# Altium PCB PCB_ALMA_TESLA.PcbDoc (part 2 of 3) (continued)
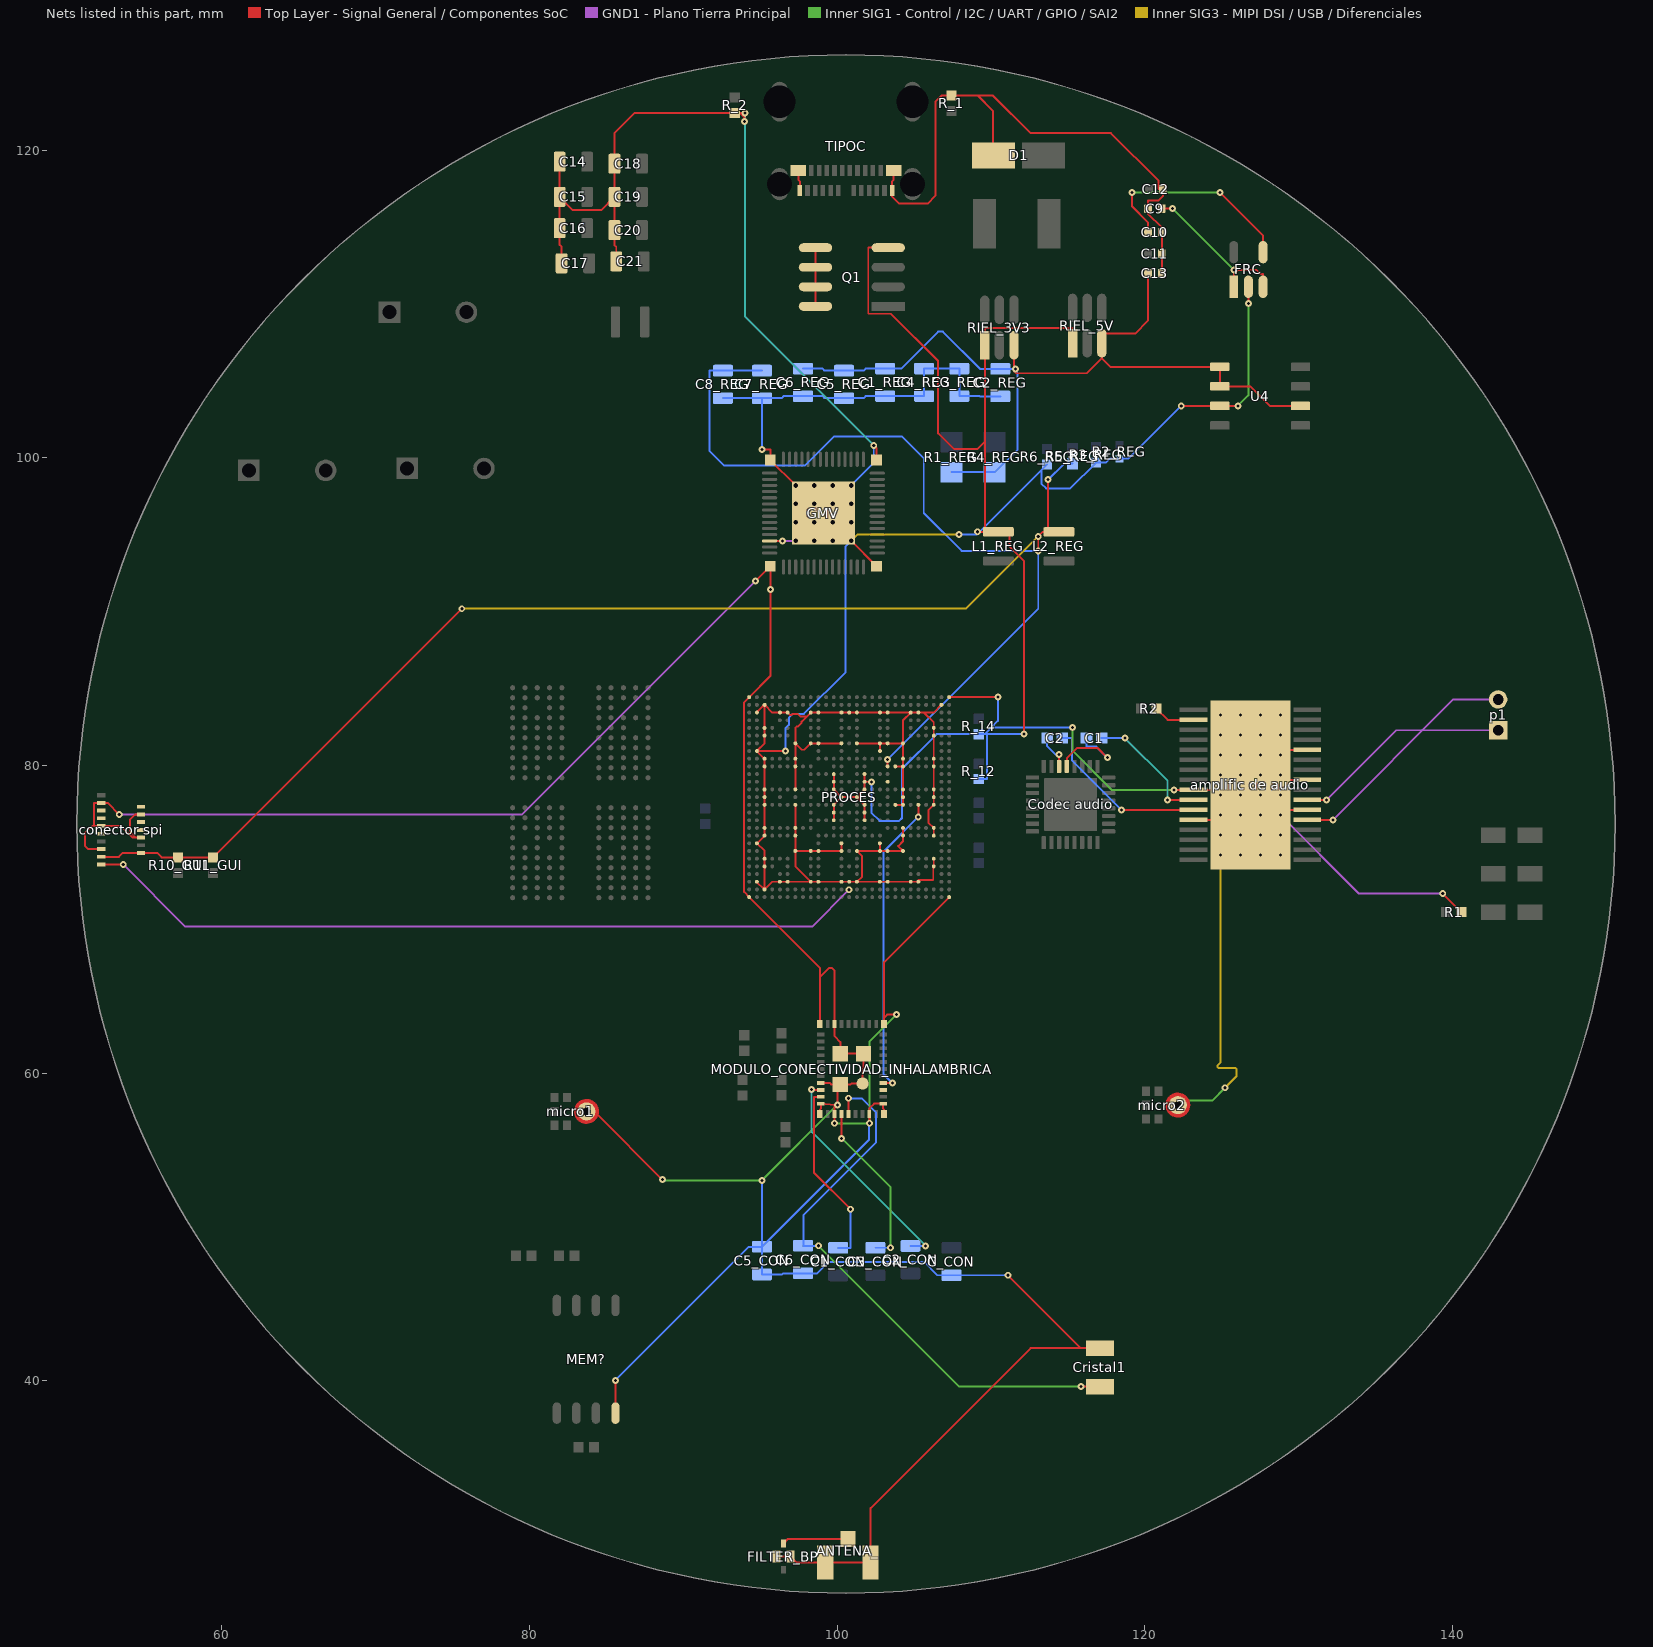
[diagram p10: the nets of this part, all layers, seen from the top]
## Part data (continued)
U4: library part CMP-014-00002-1, "Audio Amp Speaker 1-CH Mono/2-CH Stereo 0.7W Class-AB 8-Pin SOIC T/R", Case/Package=SOIC, Manufacturer Lifecycle Status=ACTIVE, Max Operating Temperature=85°C, Max Output Power=700mW, Max Power Dissipation=725mW, Max Supply Current=1.5mA, Max Supply Voltage=5.5V, Min Operating Temperature=-40°C, Min Supply Voltage=2.5V, Operating Supply Voltage=5V, Power Supply Rejection Ratio (PSRR)=85dB, Quiescent Current=700µA, Gain Bandwidth Product=1.4MHz, Height=1.75mm, Length=4.9mm, Lifecycle Status=Production, Nominal Supply Current=1.5mA, Number of Channels=1, Number of Circuits=1, Packaging="Tape and Reel", Pins=8, Power Dissipation=725mW, Radiation Hardening=No, RoHS=Compliant, Schedule B="8542330000, 8542330000", Supply Type=Single, Thickness=1.58mm, Weight=75.891673mg, Width=3.91mm

## Free pads (board coordinates)
  round 0.33 smd paste+0 mask+0: A1(78.912,85.057) A2(79.712,85.057) A3(80.512,85.057) A4(81.312,85.057) A5(82.112,85.057) A8(84.512,85.057) A9(85.312,85.057) A10(86.112,85.057) A11(86.912,85.057) A12(87.712,85.057) AA1(78.912,72.057) AA2(79.712,72.057) AA3(80.512,72.057) AA4(81.312,72.057) AA5(82.112,72.057) AA8(84.512,72.057) AA9(85.312,72.057) AA10(86.112,72.057) AA11(86.912,72.057) AA12(87.712,72.057) AB1(78.912,71.407) AB2(79.712,71.407) AB3(80.512,71.407) AB4(81.312,71.407) AB5(82.112,71.407) AB8(84.512,71.407) AB9(85.312,71.407) AB10(86.112,71.407) AB11(86.912,71.407) AB12(87.712,71.407) B1(78.912,84.407) B2(79.712,84.407) B3(80.512,84.407) B4(81.312,84.407) B5(82.112,84.407) B8(84.512,84.407) B9(85.312,84.407) B10(86.112,84.407) B11(86.912,84.407) B12(87.712,84.407) C1(78.912,83.757) C2(79.712,83.757) C4(81.312,83.757) C5(82.112,83.757) C8(84.512,83.757) C9(85.312,83.757) C12(87.712,83.757) D1(78.912,83.107) D2(79.712,83.107) D3(80.512,83.107) D4(81.312,83.107) D5(82.112,83.107) D8(84.512,83.107) D9(85.312,83.107) D10(86.112,83.107) D11(86.912,83.107) D12(87.712,83.107) E1(78.912,82.457) E2(79.712,82.457) E3(80.512,82.457) E4(81.312,82.457) E5(82.112,82.457) E8(84.512,82.457) E9(85.312,82.457) E10(86.112,82.457) E12(87.712,82.457) F1(78.912,81.807) F2(79.712,81.807) F3(80.512,81.807) F4(81.312,81.807) F5(82.112,81.807) F8(84.512,81.807) F9(85.312,81.807) F10(86.112,81.807) F11(86.912,81.807) F12(87.712,81.807) G1(78.912,81.157) G2(79.712,81.157) G3(80.512,81.157) G4(81.312,81.157) G5(82.112,81.157) G8(84.512,81.157) G9(85.312,81.157) G10(86.112,81.157) G11(86.912,81.157) G12(87.712,81.157) H1(78.912,80.507) H2(79.712,80.507) H3(80.512,80.507) H4(81.312,80.507) H5(82.112,80.507) H8(84.512,80.507) H9(85.312,80.507) H10(86.112,80.507) H11(86.912,80.507) H12(87.712,80.507) J1(78.912,79.857) J2(79.712,79.857) J3(80.512,79.857) J8(84.512,79.857) J9(85.312,79.857) J10(86.112,79.857) J11(86.912,79.857) J12(87.712,79.857) K1(78.912,79.207) K2(79.712,79.207) K3(80.512,79.207) K4(81.312,79.207) K5(82.112,79.207) K8(84.512,79.207) K9(85.312,79.207) K10(86.112,79.207) K11(86.912,79.207) K12(87.712,79.207) N1(78.912,77.257) N2(79.712,77.257) N3(80.512,77.257) N4(81.312,77.257) N5(82.112,77.257) N8(84.512,77.257) N9(85.312,77.257) N10(86.112,77.257) N11(86.912,77.257) N12(87.712,77.257) P1(78.912,76.607) P2(79.712,76.607) P3(80.512,76.607) P4(81.312,76.607) P5(82.112,76.607) P8(84.512,76.607) P9(85.312,76.607) P10(86.112,76.607) P11(86.912,76.607) P12(87.712,76.607) R1(78.912,75.957) R2(79.712,75.957) R3(80.512,75.957) R4(81.312,75.957) R5(82.112,75.957) R8(84.512,75.957) R9(85.312,75.957) R10(86.112,75.957) R11(86.912,75.957) R12(87.712,75.957) T1(78.912,75.307) T3(80.512,75.307) T4(81.312,75.307) T5(82.112,75.307) T8(84.512,75.307) T9(85.312,75.307) T10(86.112,75.307) T11(86.912,75.307) T12(87.712,75.307) U1(78.912,74.657) U2(79.712,74.657) U3(80.512,74.657) U5(82.112,74.657) U8(84.512,74.657) U10(86.112,74.657) U11(86.912,74.657) U12(87.712,74.657) V1(78.912,74.007) V2(79.712,74.007) V3(80.512,74.007) V4(81.312,74.007) V5(82.112,74.007) V8(84.512,74.007) V9(85.312,74.007) V10(86.112,74.007) V11(86.912,74.007) V12(87.712,74.007) W1(78.912,73.357) W2(79.712,73.357) W3(80.512,73.357) W4(81.312,73.357) W5(82.112,73.357) W8(84.512,73.357) W9(85.312,73.357) W10(86.112,73.357) W11(86.912,73.357) W12(87.712,73.357) Y1(78.912,72.707) Y2(79.712,72.707) Y3(80.512,72.707) Y4(81.312,72.707) Y5(82.112,72.707) Y8(84.512,72.707) Y9(85.312,72.707) Y10(86.112,72.707) Y11(86.912,72.707) Y12(87.712,72.707)

## Via types
v1: diameter 0.45, hole 0.2, Top Layer - Signal General / Componentes SoC to Bottom Layer - Signal Perifericos / GPIO / Conectores, 147 vias
v2: diameter 0.5, hole 0.2, Top Layer - Signal General / Componentes SoC to Bottom Layer - Signal Perifericos / GPIO / Conectores, 41 vias
v3: diameter 0.5, hole 0.3, Top Layer - Signal General / Componentes SoC to Bottom Layer - Signal Perifericos / GPIO / Conectores, 16 vias
v4: diameter 1.27, hole 0.711, Top Layer - Signal General / Componentes SoC to Bottom Layer - Signal Perifericos / GPIO / Conectores, 2 vias

## Nets (pads, with @x,y where several pads share a name; then routed paths per layer and width w, separated by ;. In a path a pad name is that pad's centre, name@x,y a point inside that pad or via, vN(x,y) a via of type N, cw(c..) or ccw(c..) an arc to the next point about the centre after c; other vN are vias at no path point)
3V3_DIGITAL: "conector spi.14" "conector spi.15" C7_REG.2 C8_REG.2 L2_REG.2 PROCES.K19 PROCES.M19 R5_REG.2 R10_GUI.2 R11_GUI.2 | length 132
  Top Layer - Signal General / Componentes SoC w0.127: 52.167,74.069 53.315,74.069 53.565,74.319 54.757,74.319 55.804,74.319 56.098,74.025 R10_GUI.2@57.15,74.025 R11_GUI.2@59.436,74.025 v1(75.606,90.195) ; PROCES.K19@103.29,79.946 v1(103.29,80.405) ; v1(113.081,93.955) v1(113.081,94.894) 113.381,95.195 L2_REG.2@113.716,95.195 ; v1(113.716,98.593) L2_REG.2@113.716,95.195 ; L2_REG.2@114.427,95.195 L2_REG.2@113.716,95.195
  Inner SIG3 - MIPI DSI / USB / Diferenciales w0.127: v1(75.606,90.195) 108.382,90.195 v1(113.081,94.894)
  Bottom Layer - Signal Perifericos / GPIO / Conectores w0.127: C7_REG.2@95.123,105.676 C8_REG.2@92.583,105.676 91.719,105.676 91.719,100.432 92.659,99.492 97.917,99.492 99.827,101.402 104.211,101.402 105.639,99.974 105.639,96.418 108.102,93.955 v1(113.081,93.955) 113.081,90.195 v1(103.29,80.405) ; v1(113.716,98.593) 114.757,99.634 R5_REG.2@115.316,99.634
5V_DIGITAL: "amplific de audio.9" "amplific de audio.12" "amplific de audio.22" "amplific de audio.25" "amplific de audio.28" "amplific de audio.33" "conector spi.1" "conector spi.4" "conector spi.7" "conector spi.10" "conector spi.13" ANTENA_.2 ANTENA_.3 C1_REG.1 C2_REG.1 C3_REG.1 C3_REG.2 C4_REG.1 C4_REG.2 C5_CON.1 C5_CON.2 C5_REG.1 C6_CON.1 C6_REG.1 C7_REG.1 C8_REG.1 C9.1 C10.1 C11.1 C12.1 C13.1 C14.1 C15.1 C16.1 C17.1 C18.1 C19.1 C20.1 C21.1 C_CON.1 Cristal1.2 D1.2 FILTER_BP.2 FILTER_BP.4 FRC.2 GMV.12 GMV.57 GMV.58 GMV.59 GMV.60 GMV.61 L1_REG.2 MEM?.4 micro1.3 micro2.3 MODULO_CONECTIVIDAD_INHALAMBRICA.1 MODULO_CONECTIVIDAD_INHALAMBRICA.12 MODULO_CONECTIVIDAD_INHALAMBRICA.19 MODULO_CONECTIVIDAD_INHALAMBRICA.21 MODULO_CONECTIVIDAD_INHALAMBRICA.29 MODULO_CONECTIVIDAD_INHALAMBRICA.32 MODULO_CONECTIVIDAD_INHALAMBRICA.33 MODULO_CONECTIVIDAD_INHALAMBRICA.35 MODULO_CONECTIVIDAD_INHALAMBRICA.40 MODULO_CONECTIVIDAD_INHALAMBRICA.42 MODULO_CONECTIVIDAD_INHALAMBRICA.43 MODULO_CONECTIVIDAD_INHALAMBRICA.44 MODULO_CONECTIVIDAD_INHALAMBRICA.45 MODULO_CONECTIVIDAD_INHALAMBRICA.46 PROCES.A1 PROCES.A27 PROCES.AA7 PROCES.AA9 PROCES.AA10 PROCES.AA13 PROCES.AA15 PROCES.AA18 PROCES.AA19 PROCES.AA21 PROCES.AB3 PROCES.AB25 PROCES.AC3 PROCES.AC25 PROCES.AE2 PROCES.AE5 PROCES.AE6 PROCES.AE9 PROCES.AE10 PROCES.AE13 PROCES.AE14 PROCES.AE15 PROCES.AE18 PROCES.AE19 PROCES.AE22 PROCES.AE23 PROCES.AF3 PROCES.AG1 PROCES.AG27 PROCES.B3 PROCES.B26 PROCES.C2 PROCES.C5 PROCES.C6 PROCES.C9 PROCES.C10 PROCES.C13 PROCES.C14 PROCES.C15 PROCES.C18 PROCES.C19 PROCES.C22 PROCES.C23 PROCES.E3 PROCES.E25 PROCES.F3 PROCES.F25 PROCES.G7 PROCES.G9 PROCES.G10 PROCES.G13 PROCES.G15 PROCES.G18 PROCES.G19 PROCES.G21 PROCES.H2 PROCES.H18 PROCES.J3 PROCES.J7 PROCES.J21 PROCES.J25 PROCES.K3 PROCES.K7 PROCES.K20 PROCES.K21 PROCES.K25 PROCES.L12 PROCES.L16 PROCES.M12 PROCES.M16 PROCES.N3 PROCES.N7 PROCES.N12 PROCES.N16 PROCES.N21 PROCES.N25 PROCES.P3 PROCES.P13 PROCES.P15 PROCES.P21 PROCES.P25 PROCES.R3 PROCES.R7 PROCES.R12 PROCES.R16 PROCES.R20 PROCES.R21 PROCES.R25 PROCES.T12 PROCES.T16 PROCES.U12 PROCES.U16 PROCES.V3 PROCES.V7 PROCES.V21 PROCES.V25 PROCES.W3 PROCES.W7 PROCES.W21 PROCES.W25 PROCES.Y2 PROCES.Y13 PROCES.Y18 Q1.4 R1.2 R2_REG.1 R3_REG.1 R6_REG.1 R_1.2 R_2.2 R_12.1 R_14.1 RIEL_3V3.1 RIEL_5V.1 TIPOC.A1 TIPOC.A12 TIPOC.B1 TIPOC.B12 U4.3 | length 680.5
  Top Layer - Signal General / Componentes SoC w0.127: 52.167,74.569 51.313,74.569 51.105,74.778 51.105,75.59 51.583,76.069 51.689,76.069 ; v1(53.34,76.81) 52.581,77.569 52.167,77.569 51.689,77.569 51.689,76.069 ; 54.757,75.319 54.424,75.319 ; 54.757,76.819 54.365,76.819 54.051,76.505 54.051,75.692 54.424,75.319 ; C14.1@81.965,119.253 C15.1@81.965,116.967 ; C17.1@82.092,112.649 82.092,113.716 81.965,113.843 C16.1@81.965,114.935 C15.1@81.965,116.967 ; 84.372,57.515 84.372,57.36 v1(88.646,53.086) ; MEM?.4@85.598,37.902 v1(85.598,40.03) ; C21.1@85.648,112.776 85.648,113.716 85.532,113.832 C20.1@85.532,114.808 C19.1@85.532,116.967 ; v1(93.995,121.869) 93.995,122.123 93.69,122.428 ; v1(94.005,122.428) 93.69,122.428 ; v1(94.706,91.999) GMV.60@95.666,92.959 v1(95.666,91.444) 95.666,85.822 PROCES.A1@94.29,84.446 93.955,84.111 93.955,71.781 PROCES.AG1@94.29,71.446 98.885,66.851 98.885,66.243 ; PROCES.AE2@94.79,72.446 94.79,72.423 95.267,71.946 PROCES.AF3@95.29,71.946 ; PROCES.C2@94.79,83.446 94.79,83.469 95.267,83.946 PROCES.B3@95.29,83.946 ; v1(95.123,100.559) 95.666,100.559 GMV.58@95.666,99.859 v3(97.316,98.209) v3(97.316,97.009) v3(97.316,95.809) v3(97.316,94.609) ; GMV.12@95.616,94.609 v1(96.468,94.609) ; FILTER_BP.4@96.07,28.575 FILTER_BP.2@96.97,28.575 97.351,28.194 ANTENA_.2@99.236,28.194 ANTENA_.3@102.186,28.194 102.186,31.725 112.585,42.124 115.849,42.124 ; v1(96.643,80.946) PROCES.H2@94.79,80.946 ; PROCES.R7@97.29,77.446 PROCES.V7@97.29,75.946 PROCES.W7@97.29,75.446 PROCES.AA7@97.29,74.446 ; PROCES.N7@97.29,78.446 PROCES.K7@97.29,79.946 PROCES.J7@97.29,80.446 PROCES.G7@97.29,81.446 ; TIPOC.B1@97.484,118.688 97.484,118.083 97.584,117.983 TIPOC.A12@97.584,117.388 ; v3(98.516,94.609) v3(98.516,95.809) 98.806,96.099 99.116,96.099 GMV.57@99.116,96.409 ; v3(98.516,97.009) v3(98.516,98.209) ; MODULO_CONECTIVIDAD_INHALAMBRICA.33@98.885,57.342 98.885,57.633 98.947,57.695 MODULO_CONECTIVIDAD_INHALAMBRICA.32@98.947,58.017 99.847,57.937 MODULO_CONECTIVIDAD_INHALAMBRICA.35@99.847,57.342 v1(99.847,56.744) ; MODULO_CONECTIVIDAD_INHALAMBRICA.21@98.885,63.192 98.885,66.243 ; MODULO_CONECTIVIDAD_INHALAMBRICA.29@98.947,59.367 99.517,59.367 99.617,59.267 MODULO_CONECTIVIDAD_INHALAMBRICA.45@100.222,59.267 ; v3(99.716,97.009) v3(99.716,98.209) ; PROCES.U12@99.79,76.446 PROCES.T12@99.79,76.946 PROCES.R12@99.79,77.446 99.79,77.465 100.271,77.946 PROCES.P13@100.29,77.946 ; PROCES.L12@99.79,79.446 PROCES.M12@99.79,78.946 PROCES.N12@99.79,78.446 PROCES.P13@100.29,77.946 ; v1(100.025,57.937) 100.025,59.07 MODULO_CONECTIVIDAD_INHALAMBRICA.45@100.222,59.267 ; PROCES.Y13@100.29,74.946 PROCES.AA13@100.29,74.446 PROCES.AA10@98.79,74.446 PROCES.AA9@98.29,74.446 PROCES.AA7@97.29,74.446 ; PROCES.G13@100.29,81.446 PROCES.G10@98.79,81.446 PROCES.G9@98.29,81.446 97.87,81.026 97.71,81.026 PROCES.G7@97.29,81.446 ; v3(100.916,94.609) GMV.61@102.566,92.959 ; v3(100.916,95.809) v3(100.916,97.009) ; PROCES.G15@101.29,81.446 PROCES.G18@102.79,81.446 ; PROCES.U16@101.79,76.446 PROCES.T16@101.79,76.946 PROCES.R16@101.79,77.446 ; PROCES.L16@101.79,79.446 PROCES.M16@101.79,78.946 ; v1(102.108,56.744) 102.097,56.755 MODULO_CONECTIVIDAD_INHALAMBRICA.40@102.097,57.342 102.097,57.709 102.405,58.017 MODULO_CONECTIVIDAD_INHALAMBRICA.1@102.997,58.017 102.997,57.695 103.06,57.633 MODULO_CONECTIVIDAD_INHALAMBRICA.42@103.06,57.342 ; v1(102.235,78.943) 102.232,78.946 PROCES.M16@101.79,78.946 ; v1(102.387,100.813) 102.566,100.634 GMV.59@102.566,99.859 ; PROCES.Y18@102.79,74.946 PROCES.AA18@102.79,74.446 ; PROCES.H18@102.79,80.946 PROCES.G18@102.79,81.446 ; MODULO_CONECTIVIDAD_INHALAMBRICA.12@103.06,63.192 103.06,63.602 ; Q1.4@103.331,113.665 102.032,113.665 102.032,109.372 103.505,109.372 106.578,106.299 106.578,101.6 107.594,100.584 109.144,100.584 109.606,101.046 ; TIPOC.B12@103.684,118.688 103.684,118.083 103.584,117.983 TIPOC.A1@103.584,117.388 103.584,116.99 104.038,116.535 105.893,116.535 106.401,117.043 106.401,123.139 106.821,123.559 R_1.2@107.442,123.559 109.144,123.559 ; PROCES.R20@103.79,77.446 PROCES.R21@104.29,77.446 PROCES.P21@104.29,77.946 PROCES.N21@104.29,78.446 PROCES.K21@104.29,79.946 ; PROCES.K20@103.79,79.946 PROCES.K21@104.29,79.946 ; v1(103.861,63.805) 103.263,63.805 103.06,63.602 ; PROCES.V21@104.29,75.946 PROCES.W21@104.29,75.446 104.29,75.09 103.968,74.768 PROCES.AA21@104.29,74.446 PROCES.AA19@103.29,74.446 PROCES.AA18@102.79,74.446 ; PROCES.AB25@106.29,73.946 PROCES.AC25@106.29,73.446 106.257,73.413 106.257,72.559 105.29,72.559 PROCES.AE23@105.29,72.446 PROCES.AE22@104.79,72.446 PROCES.AE19@103.29,72.446 PROCES.AE18@102.79,72.446 PROCES.AE15@101.29,72.446 ; PROCES.W25@106.29,75.446 PROCES.V25@106.29,75.946 105.946,76.29 105.946,77.102 PROCES.R25@106.29,77.446 PROCES.P25@106.29,77.946 PROCES.N25@106.29,78.446 PROCES.K25@106.29,79.946 PROCES.J25@106.29,80.446 PROCES.F25@106.29,81.946 PROCES.E25@106.29,82.446 106.29,82.81 105.654,83.446 ; PROCES.B26@106.79,83.946 106.29,83.446 105.654,83.446 ; PROCES.AG27@107.29,71.446 103.06,67.216 103.06,63.602 ; PROCES.A27@107.29,84.446 v1(110.465,84.446) ; v1(109.144,95.199) 109.148,95.195 L1_REG.2@109.606,95.195 ; D1.2@110.184,119.666 110.134,119.666 110.134,122.569 109.144,123.559 ; v1(111.11,46.863) 115.849,42.124 ; v1(112.166,82.042) 112.166,93.294 111.201,94.259 111.201,95.195 L1_REG.2@110.49,95.195 L1_REG.2@109.606,95.195 ; RIEL_5V.1@115.316,107.453 115.316,108.458 109.606,108.458 RIEL_3V3.1@109.606,107.326 109.606,101.046 ; Cristal1.2@117.094,42.124 115.849,42.124 ; C13.1@121.116,112.014 C11.1@121.116,113.284 C10.1@121.116,114.681 121.116,114.986 120.216,115.886 C9.1@120.216,116.205 120.216,116.735 120.904,116.735 121.185,117.016 C12.1@121.185,117.475 120.904,117.475 120.904,118.008 117.805,121.107 112.587,121.107 110.134,123.559 109.144,123.559 ; v1(121.92,78.41) 121.925,78.415 123.173,78.415 124.598,78.415 v2(124.923,78.09) ; v1(122.377,103.378) U4.3@124.883,103.378 v1(126.06,103.378) ; 123.173,76.465 126.543,76.465 127.193,77.115 ; v1(126.746,110.033) FRC.2@126.746,111.125 ; v2(128.823,79.39) 129.148,79.065 130.573,79.065 ; 129.235,77.115 130.573,77.115 ; 129.235,81.015 130.573,81.015 ; v1(139.379,71.679) R1.2@140.589,70.469 ; 51.689,76.069 52.167,76.069 53.479,76.069 54.229,75.319 54.424,75.319 ; C15.1@81.965,116.967 82.829,116.103 84.668,116.103 C19.1@85.532,116.967 ; C19.1@85.532,116.967 C18.1@85.532,119.126 85.532,121.107 86.853,122.428 R_2.2@93.345,122.428 93.69,122.428 ; PROCES.H2@94.79,80.946 95.29,81.446 PROCES.F3@95.29,81.946 PROCES.E3@95.29,82.446 PROCES.B3@95.29,83.946 ; PROCES.H2@94.79,80.946 94.79,80.923 95.267,80.446 PROCES.J3@95.29,80.446 PROCES.K3@95.29,79.946 PROCES.N3@95.29,78.446 PROCES.P3@95.29,77.946 PROCES.R3@95.29,77.446 PROCES.V3@95.29,75.946 PROCES.W3@95.29,75.446 95.29,75.43 94.806,74.946 PROCES.Y2@94.79,74.946 95.29,74.446 PROCES.AB3@95.29,73.946 PROCES.AC3@95.29,73.446 PROCES.AF3@95.29,71.946 ; PROCES.AF3@95.29,71.946 95.79,72.446 PROCES.AE5@96.29,72.446 PROCES.AE6@96.79,72.446 PROCES.AE9@98.29,72.446 ; PROCES.B3@95.29,83.946 95.79,83.446 PROCES.C5@96.29,83.446 PROCES.C6@96.79,83.446 96.94,83.296 97.045,83.296 97.11,83.361 97.454,83.361 97.631,83.185 98.029,83.185 ; PROCES.AA7@97.29,74.446 97.29,73.446 PROCES.AE9@98.29,72.446 ; PROCES.G7@97.29,81.446 97.29,82.446 97.374,82.53 97.454,82.53 97.698,82.774 97.698,82.853 98.029,83.185 ; 98.029,83.185 PROCES.C9@98.29,83.446 PROCES.C10@98.79,83.446 PROCES.C13@100.29,83.446 PROCES.C14@100.79,83.446 PROCES.C15@101.29,83.446 PROCES.C18@102.79,83.446 PROCES.C19@103.29,83.446 PROCES.C22@104.79,83.446 ; PROCES.AE9@98.29,72.446 PROCES.AE10@98.79,72.446 PROCES.AE13@100.29,72.446 PROCES.AE14@100.79,72.446 PROCES.AE15@101.29,72.446 ; 98.885,66.243 99.494,66.853 99.644,66.853 99.847,66.65 MODULO_CONECTIVIDAD_INHALAMBRICA.19@99.847,63.192 99.847,62.402 100.222,62.027 MODULO_CONECTIVIDAD_INHALAMBRICA.46@100.222,61.267 MODULO_CONECTIVIDAD_INHALAMBRICA.44@101.722,61.267 101.722,60.311 101.659,60.249 MODULO_CONECTIVIDAD_INHALAMBRICA.43@101.659,59.329 100.951,59.329 100.889,59.267 MODULO_CONECTIVIDAD_INHALAMBRICA.45@100.222,59.267 ; PROCES.P13@100.29,77.946 PROCES.P15@101.29,77.946 101.29,77.926 101.77,77.446 PROCES.R16@101.79,77.446 ; PROCES.AE15@101.29,72.446 101.625,72.781 101.625,74.111 PROCES.AA15@101.29,74.446 PROCES.AA18@102.79,74.446 ; PROCES.R16@101.79,77.446 101.472,77.764 101.472,78.128 PROCES.N16@101.79,78.446 PROCES.M16@101.79,78.946 ; PROCES.G18@102.79,81.446 PROCES.G19@103.29,81.446 PROCES.G21@104.29,81.446 ; PROCES.K21@104.29,79.946 PROCES.J21@104.29,80.446 PROCES.G21@104.29,81.446 ; PROCES.G21@104.29,81.446 104.29,82.946 PROCES.C22@104.79,83.446 ; PROCES.C22@104.79,83.446 PROCES.C23@105.29,83.446 105.654,83.446 ; L1_REG.2@109.606,95.195 109.606,101.046
  GND1 - Plano Tierra Principal w0.127: v1(96.468,94.609) v3(97.316,94.609) v3(98.516,94.609) v3(99.716,94.609) v3(100.916,94.609) ; v3(97.316,97.009) v3(98.516,97.009) ; v3(98.516,95.809) v3(99.716,95.809) v3(100.916,95.809) ; v3(98.516,98.209) v3(99.716,98.209) v3(100.916,98.209) ; v2(128.823,76.79) 133.934,71.679 v1(139.379,71.679)
  Inner SIG1 - Control / I2C / UART / GPIO / SAI2 w0.127: v1(102.108,56.744) 102.108,62.052 v1(103.861,63.805) ; v1(126.06,103.378) 126.746,104.064 v1(126.746,110.033)
  Inner SIG3 - MIPI DSI / USB / Diferenciales w0.127: v3(100.916,94.609) 101.338,95.031 107.915,95.031 v1(107.925,95.021) ; v2(124.923,74.19) 124.923,60.69 124.738,60.505 124.738,60.399 124.812,60.325 125.91,60.325 125.984,60.251 125.984,59.817 v1(125.222,59.055)
  PWR2 - Alimentacion Auxiliar (1.0V / VDDQ / VBUS) w0.127: v1(94.005,122.428) 94.005,109.195 v1(102.387,100.813)
  Inner SIG4 - Audio SAI2 / BT UART / Clocks / Low-Noise w0.127: v1(53.34,76.81) 79.517,76.81 v1(94.706,91.999)
  GND2 - Plano Tierra Retorno w0.127: v1@88.554,53.035 v1(95.123,53.035) v1(100.025,57.937) ; v1(99.847,56.744) v1(102.108,56.744) ; v1(115.316,82.474) 115.316,80.95 117.856,78.41 v1(121.92,78.41) ; 122.448,58.215 124.382,58.215 v1(125.222,59.055)
  Bottom Layer - Signal Perifericos / GPIO / Conectores w0.127: v1(85.598,40.03) 94.275,48.708 C5_CON.2@95.123,48.708 ; C8_REG.1@92.583,103.886 C7_REG.1@95.123,103.886 ; v1(95.123,53.035) C5_CON.2@95.123,48.708 ; v1(95.123,100.559) C7_REG.1@95.123,103.886 ; v1(96.643,80.946) 96.643,82.419 96.866,82.642 96.866,83.118 97.11,83.361 97.839,83.361 100.559,86.081 100.559,94.252 v3(100.916,94.609) ; v3(100.916,98.209) 102.387,99.68 v1(102.387,100.813) ; v1(102.108,56.744) 102.079,56.715 102.079,55.664 C5_CON.2@95.123,48.708 ; v1(102.235,78.943) 102.235,76.937 102.768,76.403 104.039,76.403 104.225,76.589 104.225,79.79 106.477,82.042 R_14.1@109.22,82.042 109.601,82.042 ; v1(107.925,95.021) 109.11,95.021 v1@109.288,95.199 ; v1(109.144,95.199) v1@109.288,95.199 ; R_12.1@109.22,79.121 109.753,79.121 109.753,82.042 ; v1(110.465,84.446) 110.465,82.906 110.033,82.474 ; C2_REG.1@110.617,104.001 109.283,104.001 109.271,104.013 C3_REG.1@107.95,104.013 C3_REG.2@107.95,105.803 C4_REG.2@105.664,105.803 C4_REG.1@105.664,104.013 C1_REG.1@103.124,104.013 101.854,104.013 101.727,103.886 C5_REG.1@100.457,103.886 99.187,103.886 99.06,104.013 C6_REG.1@97.79,104.013 96.52,104.013 96.393,103.886 C7_REG.1@95.123,103.886 ; v1(111.11,46.863) C_CON.1@107.442,46.863 106.528,46.863 105.664,47.727 99.441,47.727 98.704,46.99 C6_CON.1@97.79,46.99 96.491,46.99 96.418,46.918 C5_CON.1@95.123,46.918 C5_CON.2@95.123,48.708 ; v1(112.166,82.042) 109.753,82.042 ; R6_REG.1@113.665,99.576 113.284,99.195 ; v1(115.316,82.474) 110.033,82.474 ; v1(122.377,103.378) 118.948,99.949 R2_REG.1@118.364,99.949 117.729,99.949 117.475,99.695 R3_REG.1@116.84,99.695 115.164,98.019 113.589,98.019 113.284,98.323 113.284,99.195 ; v1@109.288,95.199 113.284,99.195 ; 109.601,82.042 110.033,82.474 ; 109.601,82.042 109.753,82.042
  other v1: 127.523,75.49
  other v2: 126.223,74.19 127.523,74.19 128.823,74.19 124.923,75.49 126.223,75.49 127.523,75.49 128.823,75.49 124.923,76.79 126.223,76.79 127.523,76.79 126.223,78.09 127.523,78.09 128.823,78.09 124.923,79.39 126.223,79.39 127.523,79.39 124.923,80.69 126.223,80.69 127.523,80.69 128.823,80.69 124.923,81.99 126.223,81.99 127.523,81.99 128.823,81.99 124.923,83.29 126.223,83.29 127.523,83.29 128.823,83.29
BT_CTS: MODULO_CONECTIVIDAD_INHALAMBRICA.4 PROCES.R23 | length 19.9
  Top Layer - Signal General / Componentes SoC w0.127: MODULO_CONECTIVIDAD_INHALAMBRICA.4@102.997,59.367 103.599,59.367 v1(103.607,59.36) ; v1(105.283,76.657) 105.29,76.664 PROCES.R23@105.29,77.446
  Bottom Layer - Signal Perifericos / GPIO / Conectores w0.127: v1(103.607,59.36) 103.022,59.944 103.022,74.397 v1(105.283,76.657)
BT_TXD: MODULO_CONECTIVIDAD_INHALAMBRICA.3
CN: "conector spi.5"
CP: "conector spi.6"
DN0: "conector spi.8"
DN1: "conector spi.2"
DP0: "conector spi.9"
DP1: "conector spi.3"
INT: "conector spi.16" PROCES.AF14 | length 51.3
  Top Layer - Signal General / Componentes SoC w0.127: 52.167,73.569 v1(53.6,73.569) ; v1(100.769,71.925) PROCES.AF14@100.79,71.946
  GND1 - Plano Tierra Principal w0.127: v1(53.6,73.569) 57.636,69.533 98.377,69.533 v1(100.769,71.925)
"Netamplific de audio_2": "amplific de audio.2" R2.2 | length 2.7
  Top Layer - Signal General / Componentes SoC w0.127: R2.2@120.761,83.693 121.489,82.965 123.173,82.965
"Netamplific de audio_10": "amplific de audio.10" C1.2 | length 8.4
  Top Layer - Signal General / Componentes SoC w0.127: v1(121.488,77.765) 123.173,77.765
  PWR2 - Alimentacion Auxiliar (1.0V / VDDQ / VBUS) w0.127: v1(118.72,81.788) 121.488,79.019 v1(121.488,77.765)
  Bottom Layer - Signal Perifericos / GPIO / Conectores w0.127: C1.2@117.203,81.788 v1(118.72,81.788)
"Netamplific de audio_11": "amplific de audio.11" C2.2 | length 11.3
  Top Layer - Signal General / Componentes SoC w0.127: v1(118.49,77.115) 123.173,77.115
  Bottom Layer - Signal Perifericos / GPIO / Conectores w0.127: C2.2@114.645,81.788 115.265,81.788 115.265,80.34 v1(118.49,77.115)
"Netamplific de audio_21": "amplific de audio.21" p1.2 | length 15.7
  Top Layer - Signal General / Componentes SoC w0.127: 130.573,76.465 132.221,76.465 v1(132.232,76.454)
  Inner SIG4 - Audio SAI2 / BT UART / Clocks / Low-Noise w0.127: v1(132.232,76.454) 140.074,84.296 p1.2@142.981,84.296
"Netamplific de audio_23": "amplific de audio.23" p1.1 | length 14.3
  Top Layer - Signal General / Componentes SoC w0.127: 130.573,77.765 v1(131.826,77.765)
  GND1 - Plano Tierra Principal w0.127: v1(131.826,77.765) 136.357,82.296 p1.1@142.981,82.296
NetANTENA__1: ANTENA_.1 FILTER_BP.3 | length 4.3
  Top Layer - Signal General / Componentes SoC w0.127: FILTER_BP.3@96.52,29.425 96.814,29.719 ANTENA_.1@100.711,29.719
NetC1_1: "Codec audio.29" C1.1 | length 5.9
  Top Layer - Signal General / Componentes SoC w0.127: 114.939,79.945 114.939,80.467 115.599,81.128 116.967,81.128 v1(117.577,80.518)
  Bottom Layer - Signal Perifericos / GPIO / Conectores w0.127: C1.1@116.223,81.788 116.223,81.229 116.865,81.229 v1(117.577,80.518)
NetC1_CON_2: C1_CON.2 MODULO_CONECTIVIDAD_INHALAMBRICA.31 | length 12.1
  Top Layer - Signal General / Componentes SoC w0.127: MODULO_CONECTIVIDAD_INHALAMBRICA.31@98.947,58.467 98.501,58.467 98.501,53.543 v1(100.889,51.156)
  Bottom Layer - Signal Perifericos / GPIO / Conectores w0.127: C1_CON.2@100.076,48.642 100.889,48.642 v1(100.889,51.156)
NetC1_REG_2: C1_REG.2 C2_REG.2 C5_REG.2 C6_REG.2 C13.2 Q1.5 Q1.6 Q1.7 Q1.8 R1_REG.1 R4_REG.1 RIEL_3V3.3 RIEL_5V.3 U4.1 U4.2 U4.6 | length 60.9
  Top Layer - Signal General / Componentes SoC w0.127: Q1.8@98.599,109.855 Q1.7@98.599,111.125 Q1.6@98.599,112.395 Q1.5@98.599,113.665 ; RIEL_3V3.3@111.506,107.326 v1@111.506,105.893 ; v1(111.608,105.791) v1@111.506,105.893 ; C13.2@120.216,112.014 120.216,108.915 119.378,108.077 117.216,108.077 RIEL_5V.3@117.216,107.453 117.216,106.477 ; U4.6@130.133,103.378 128.143,103.378 126.873,104.648 U4.2@124.883,104.648 U4.1@124.883,105.918 117.775,105.918 117.216,106.477 ; v1@111.506,105.893 111.506,105.639 111.642,105.502 116.242,105.502 117.216,106.477
  Bottom Layer - Signal Perifericos / GPIO / Conectores w0.127: C6_REG.2@97.79,105.803 99.06,105.803 99.187,105.676 C5_REG.2@100.457,105.676 101.727,105.676 101.854,105.803 C1_REG.2@103.124,105.803 104.165,105.803 106.566,108.204 106.883,108.204 109.296,105.791 C2_REG.2@110.617,105.791 v1(111.608,105.791) 111.735,105.461 111.735,100.544 110.261,99.071 R4_REG.1@110.236,99.071 R1_REG.1@107.442,99.071
NetC2_1: "Codec audio.30" C2.1 | length 2.3
  Top Layer - Signal General / Componentes SoC w0.127: 114.439,79.945 v1(114.439,80.721)
  Bottom Layer - Signal Perifericos / GPIO / Conectores w0.127: C2.1@113.665,81.788 113.665,81.255 114.198,80.721 v1(114.439,80.721)
NetC2_CON_2: C2_CON.2 MODULO_CONECTIVIDAD_INHALAMBRICA.30 | length 14.8
  Top Layer - Signal General / Componentes SoC w0.127: v1(98.349,58.928) 98.36,58.917 MODULO_CONECTIVIDAD_INHALAMBRICA.30@98.947,58.917
  PWR2 - Alimentacion Auxiliar (1.0V / VDDQ / VBUS) w0.127: v1(98.349,58.928) 98.349,56.185 v1(105.766,48.768)
  Bottom Layer - Signal Perifericos / GPIO / Conectores w0.127: C2_CON.2@104.775,48.769 v1(105.766,48.768) v1(105.766,48.768)
NetC3_CON_2: C3_CON.2 MODULO_CONECTIVIDAD_INHALAMBRICA.36 | length 11
  Top Layer - Signal General / Componentes SoC w0.127: v1(100.297,55.761) MODULO_CONECTIVIDAD_INHALAMBRICA.36@100.297,57.342
  Inner SIG1 - Control / I2C / UART / GPIO / SAI2 w0.127: v1(100.297,55.761) 103.48,52.578 v1(103.48,48.653)
  Bottom Layer - Signal Perifericos / GPIO / Conectores w0.127: C3_CON.2@102.489,48.653 v1(103.48,48.653)
NetC6_CON_2: C6_CON.2 Cristal1.1 MODULO_CONECTIVIDAD_INHALAMBRICA.37 | length 36.9
  Top Layer - Signal General / Componentes SoC w0.127: MODULO_CONECTIVIDAD_INHALAMBRICA.37@100.747,57.342 v1(100.747,58.369) ; v1(115.849,39.624) Cristal1.1@117.094,39.624
  GND2 - Plano Tierra Retorno w0.127: v1(98.792,48.78) 107.948,39.624 v1(115.849,39.624)
  Bottom Layer - Signal Perifericos / GPIO / Conectores w0.127: C6_CON.2@97.79,48.78 C6_CON.2@97.815,48.78 ; v1(98.792,48.78) C6_CON.2@97.815,48.78 ; v1(100.747,58.369) 101.6,58.369 102.54,57.429 102.54,55.499 97.815,50.775 C6_CON.2@97.815,48.78
NetC9_2: C9.2 FRC.1 FRC.3 | length 10.4
  Top Layer - Signal General / Componentes SoC w0.127: C9.2@121.116,116.205 v1(121.818,116.205) ; FRC.1@125.796,111.125 125.796,111.963 ; v1(125.806,112.217) 125.796,112.207 125.796,111.963 ; FRC.3@127.696,111.125 127.696,111.963 127.529,111.963 127.285,112.207 126.04,112.207 125.796,111.963
  GND2 - Plano Tierra Retorno w0.127: v1(121.818,116.205) v1(125.806,112.217)
NetC10_2: C10.2 FRC.4 | length 13.7
  Top Layer - Signal General / Componentes SoC w0.127: v1(119.177,117.246) 119.177,116.354 120.216,115.315 C10.2@120.216,114.681 ; v1(124.902,117.246) 127.696,114.452 FRC.4@127.696,113.376
  GND2 - Plano Tierra Retorno w0.127: v1(119.177,117.246) v1(124.902,117.246)